# Allegro board AM335x_ICE_3H0013_PCB_REV_2_1A.brd (continued)
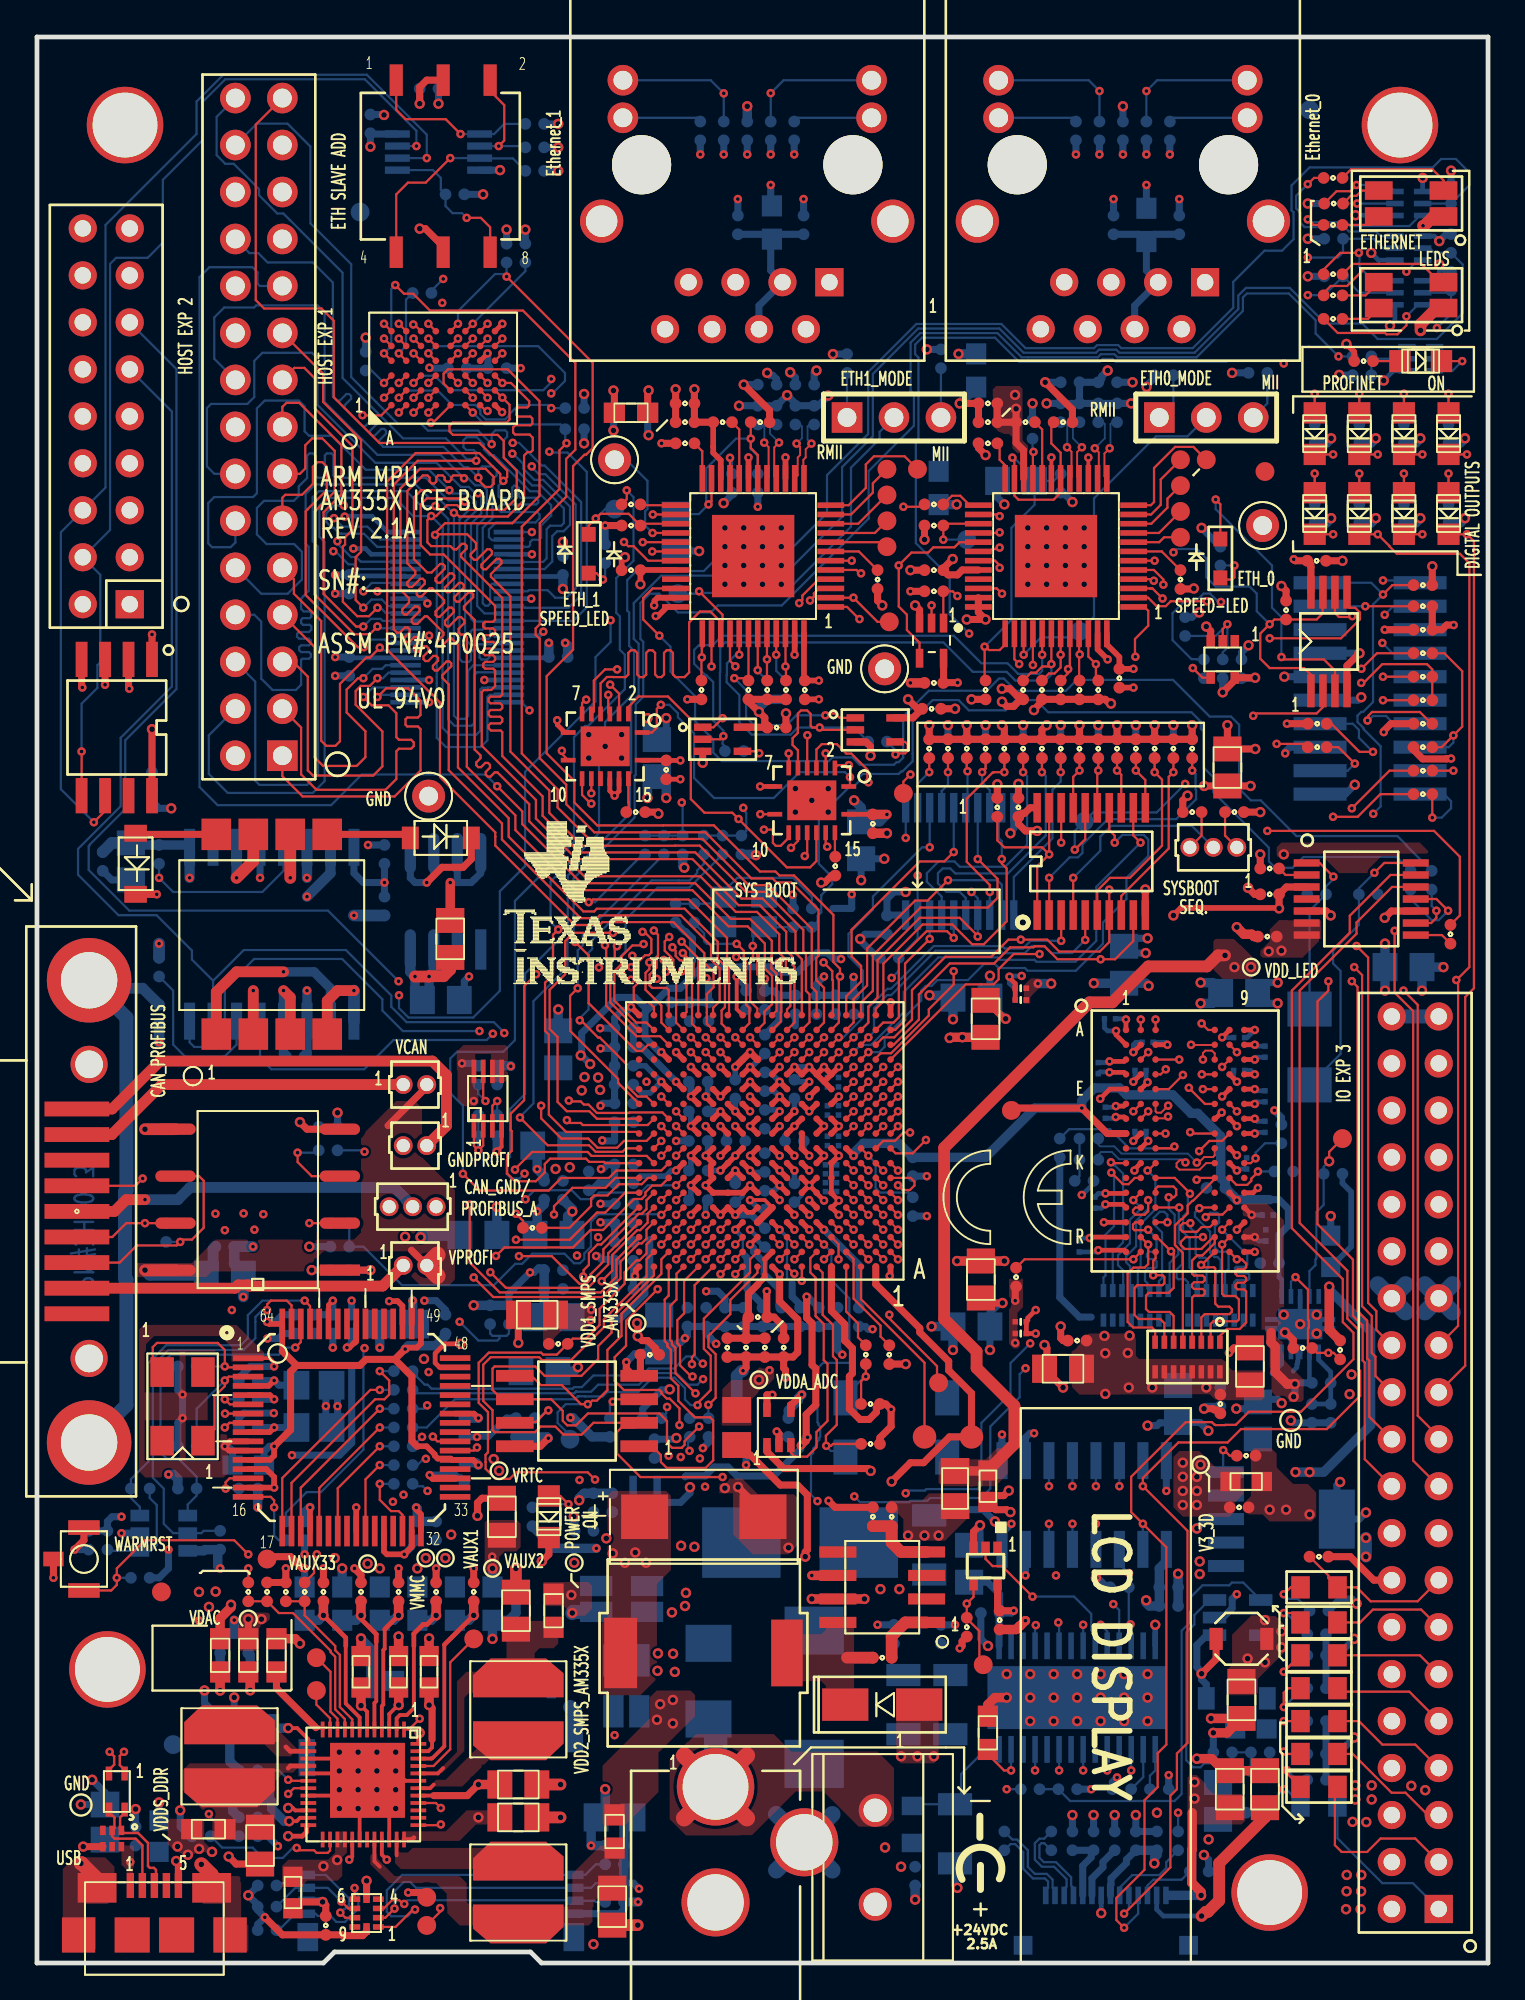
[diagram p0: board, top side]
## Routing (per net, layer and track width the routed paths; a pad name or vN(x,y) marks a point on that pad's centre or on a via; arc(x,y) is an arc through that point) (continued)
DDR_D13: length 24.9
  TOP w0.121: v1(44.97,46.05) U14.L3 ; U15.A2 v1(59.7,51.02)
  LYR4 w0.127: v1(44.97,46.05) 45.38,46.46 45.38,47.01 45.61,47.24 47.12,47.24 47.65,47.77 47.65,48.93 48.25,49.53 50.27,49.53 50.59,49.85 50.59,51.16 50.84,51.41 51.3,51.41 51.55,51.16 51.55,50.82 51.79,50.58 53.05,50.58 53.2,50.73 53.2,51.18 53.43,51.41 53.7,51.41 53.81,51.3 53.81,50.76 53.92,50.65 54.08,50.65 54.19,50.76 54.19,51.3 54.3,51.41 54.46,51.41 54.57,51.3 54.57,50.76 54.68,50.65 54.84,50.65 54.95,50.76 54.95,51.3 55.06,51.41 55.22,51.41 55.33,51.3 55.33,50.76 55.44,50.65 55.6,50.65 55.71,50.76 55.71,51.3 55.82,51.41 59.31,51.41 v1(59.7,51.02)
DDR_D14: length 25.1
  TOP w0.121: v1(62.99,50.8) 63.35,50.45 U15.A7 ; U14.L4 v1(44.17,46.05)
  LYR4 w0.127: v1(44.17,46.05) 43.78,46.44 43.78,47.81 44.01,48.04 44.32,48.04 44.56,48.29 44.56,48.6 44.81,48.84 46.25,48.84 49.58,52.17 61.62,52.17 v1(62.99,50.8)
DDR_D15: length 25.1
  TOP w0.121: U14.M1 v1(46.57,46.85) ; U15.B8 v1(64.9,49.25)
  LYR4 w0.127: v1(46.57,46.85) 47.45,46.85 48,47.4 48,48.76 48.35,49.11 50.84,49.11 51,49.27 51,50.01 51.19,50.2 55.35,50.2 55.35,50.21 56.27,50.21 56.39,50.33 56.39,50.81 56.56,50.98 58.34,50.98 58.92,50.41 59.85,50.41 60.07,50.62 62.36,50.62 62.77,50.21 63.36,50.21 63.64,50.48 63.64,50.7 63.92,50.98 64.52,50.98 64.9,50.6 v1(64.9,49.25)
DDR_DQM0: length 24.8
  TOP w0.121: U14.M2 v1(45.77,46.85) ; U15.E7 v1(63.06,47.25)
  LYR3 w0.127: v1(45.77,46.85) 45.77,46.93 45.38,47.32 45.38,47.81 45.61,48.04 46.91,48.04 47.64,48.77 50.16,48.77 50.62,48.31 57.52,48.31 57.62,48.41 57.62,48.96 57.8,49.14 58.18,49.14 58.41,48.91 58.41,48.44 58.91,47.94 58.91,47.49 59.14,47.26 59.6,47.26 60.78,46.07 60.78,45.6 61.02,45.37 61.34,45.37 61.57,45.6 61.57,45.61 62.07,46.11 62.6,46.11 63.06,46.58 v1(63.06,47.25)
DDR_DQM1: length 25
  TOP w0.121: U15.D3 60.78,48.05 v1(61.06,48.32) ; U14.J2 45.77,44.45 46.4,44.45 46.86,44.9 v1(47.22,44.9)
  LYR4 w0.127: v1(47.22,44.9) 48.15,44.9 49.32,46.07 51.44,46.07 51.7,46.33 51.7,47.42 51.93,47.65 52.41,47.65 52.52,47.53 52.52,46.82 52.62,46.71 52.78,46.71 52.89,46.83 52.89,47.52 53.01,47.65 53.17,47.65 53.27,47.54 53.27,46.83 53.38,46.71 53.54,46.71 53.65,46.83 53.65,47.52 53.77,47.65 53.93,47.65 54.03,47.54 54.03,46.83 54.15,46.71 54.3,46.71 54.41,46.83 54.41,47.52 54.54,47.65 54.69,47.65 54.8,47.53 54.8,47.28 54.92,47.17 55.07,47.17 55.19,47.28 55.19,47.53 55.3,47.65 55.46,47.65 55.57,47.53 55.57,47.28 55.68,47.17 55.84,47.17 55.95,47.28 55.95,47.53 56.06,47.65 57.26,47.65 57.36,47.54 58.52,47.54 59.12,48.14 60.87,48.14 v1(61.06,48.32)
DDR_DQS0: length 25
  TOP w0.102: v1(61.18,46.36) 60.8,45.98 60.57,45.98 60.5,46.05 U15.F3 ; U14.P1 v1(46.57,48.45)
  LYR3 w0.102: v1(61.18,46.36) 61.26,46.43 61.26,47.12 61.08,47.3 60.96,47.3 60.57,46.91 60.41,46.91 60.29,47.04 60.29,47.18 60.68,47.57 60.68,47.7 59.99,48.39 59.2,48.39 58.62,48.97 58.62,49.47 58.44,49.65 57.67,49.65 56.83,48.8 56.19,48.8 55.89,49.1 55.89,49.6 55.79,49.71 55.49,49.71 55.37,49.59 55.37,49.09 55.09,48.8 54.59,48.8 54.29,49.1 54.29,49.53 54.17,49.65 53.94,49.65 53.83,49.53 53.83,49.1 53.53,48.8 53.11,48.8 52.81,49.1 52.81,49.53 52.69,49.65 52.52,49.65 52.4,49.53 52.4,49.1 52.11,48.8 50.82,48.8 50.36,49.27 46.9,49.27 46.42,48.8 46.42,48.6 v1(46.57,48.45)
DDR_DQS1: length 25
  TOP w0.102: U15.C7 63.7,49.18 63.55,49.33 63.2,49.33 63.06,49.2 v1(63.06,48.85)
  TOP w0.121: U14.L1 v1(46.57,46.05)
  LYR4 w0.102: v1(46.57,46.05) 47.94,46.05 48.74,46.85 48.74,48.08 48.89,48.24 51.15,48.24 51.43,48.52 51.81,48.9 51.81,49.25 51.97,49.4 52.52,49.4 52.65,49.27 52.65,48.86 52.94,48.57 53.54,48.57 53.82,48.85 53.82,49.31 53.91,49.4 54.31,49.4 54.4,49.31 54.4,48.91 54.68,48.63 55.3,48.63 55.58,48.91 55.58,49.28 55.68,49.38 55.95,49.38 56.08,49.38 56.16,49.29 56.16,48.92 56.44,48.63 57,48.63 57.31,48.94 57.31,49.46 57.48,49.63 59.14,49.63 59.15,49.63 60.44,49.63 60.84,50.03 61.5,50.03 62.27,49.27 62.64,49.27 v1(63.06,48.85)
DDR_DQSN0: length 25
  TOP w0.102: U15.G3 60.53,45.67 61.08,45.67 v1(61.18,45.77) ; U14.P2 v1(45.77,48.45)
  LYR3 w0.102: v1(45.77,48.45) 46.02,48.7 46.02,48.82 46.77,49.58 50.48,49.58 50.95,49.11 51.98,49.11 52.1,49.23 52.1,49.66 52.4,49.95 52.82,49.95 53.11,49.66 53.11,49.23 53.23,49.11 53.4,49.11 53.52,49.23 53.52,49.66 53.82,49.95 54.3,49.95 54.59,49.66 54.59,49.23 54.71,49.11 54.96,49.11 55.07,49.22 55.07,49.71 55.37,50.01 55.91,50.01 56.2,49.72 56.2,49.23 56.32,49.11 56.7,49.11 57.54,49.95 58.57,49.95 58.93,49.59 58.93,49.41 58.92,49.41 58.92,49.09 59.32,48.69 60.12,48.69 61.56,47.25 61.56,46.15 v1(61.18,45.77)
DDR_DQSN1: length 25
  TOP w0.102: U14.L2 v1(45.77,46.05) ; v1(62.42,49.65) 62.43,49.64 63.69,49.64 U15.B7
  LYR4 w0.102: v1(62.42,49.65) 62.31,49.76 62.2,49.76 61.63,50.34 60.71,50.34 60.31,49.94 59.27,49.94 57.36,49.94 57.01,49.59 57.01,49.07 56.88,48.94 56.57,48.94 56.47,49.04 56.47,49.17 56.47,49.42 56.2,49.68 55.82,49.68 55.55,49.68 55.27,49.41 55.27,49.04 55.17,48.94 54.8,48.94 54.71,49.04 54.71,49.44 54.44,49.71 53.79,49.71 53.51,49.44 53.51,48.98 53.41,48.88 53.07,48.88 52.96,48.99 52.96,49.4 52.65,49.71 51.84,49.71 51.51,49.37 51.51,49.03 51.31,48.83 51.02,48.54 48.77,48.54 48.44,48.21 48.44,46.98 47.81,46.35 46.81,46.35 46.73,46.43 46.15,46.43 v1(45.77,46.05)
DDR_ODT: length 32.2
  TOP w0.121: U14.G1 47.26,42.45 47.46,42.25 47.46,42.04 47.22,41.79 46.83,41.79 v1(46.57,42.05) ; v1(58.09,43.29) 58.13,43.25 U15.K1
  LYR4 w0.127: v1(46.57,42.05) 46.61,42.09 47.16,42.09 47.28,41.97 47.28,41.58 47.39,41.47 47.55,41.47 47.66,41.58 47.66,41.99 47.76,42.09 47.92,42.09 48.04,41.97 48.04,41.58 48.15,41.47 48.31,41.47 48.42,41.58 48.42,41.99 48.52,42.09 50.19,42.09 50.49,42.39 52.21,42.39 52.27,42.39 52.35,42.31 52.35,41.88 52.49,41.75 52.68,41.75 52.8,41.86 52.8,42.84 52.91,42.96 53.06,42.96 53.15,42.87 53.15,42.56 53.24,42.47 53.43,42.47 53.53,42.57 53.53,42.99 53.64,43.1 53.98,43.1 54.11,43.24 54.11,43.64 54.23,43.75 54.38,43.75 54.51,43.63 54.51,43.08 54.61,42.98 54.76,42.98 54.89,43.11 54.89,43.65 54.99,43.75 55.15,43.75 55.27,43.63 55.27,43.07 55.36,42.98 55.55,42.98 55.65,43.08 55.65,43.65 55.75,43.75 55.91,43.75 56.03,43.63 56.03,43.07 56.11,42.99 56.33,42.99 56.41,43.08 56.41,43.65 56.51,43.75 56.67,43.75 56.79,43.63 56.79,43.08 56.88,42.99 57.28,42.99 57.58,43.29 v1(58.09,43.29)
  BOTTOM w0.121: RP3.2 58.19,38.41 58.75,38.96 58.75,42.68 58.3,43.13 58.25,43.13 v1(58.09,43.29)
DDR_RASN: length 31.7
  TOP w0.121: U14.G4 v1(44.17,42.05) ; U15.J3 61.43,44.05 v1(61.52,44.15)
  LYR4 w0.127: v1(44.17,42.05) 43.78,42.44 43.78,44.41 44.01,44.64 44.3,44.64 44.56,44.38 44.56,43.5 44.81,43.26 45.13,43.26 45.49,43.61 49.34,43.61 49.86,44.14 52.96,44.14 53.73,44.92 57.23,44.92 57.37,45.06 59.04,45.06 59.33,45.35 60.5,45.35 60.65,45.19 60.65,44.69 60.65,44.68 60.65,44.54 60.78,44.41 61.26,44.41 v1(61.52,44.15)
  BOTTOM w0.121: 55.32,44.58 55.83,45.09 58.04,45.09 59.08,44.05 61.42,44.05 v1(61.52,44.15)
DDR_RESETN: length 33.8
  TOP w0.121: R59.2 53.42,38.05 v1(59.3,38.05) U15.T2 ; U14.G2 v1(45.77,42.05)
  LYR3 w0.127: v1(59.3,38.05) 58.93,38.42 58.4,38.42 57.83,37.84 56.83,37.84 55.18,39.49 54.7,39.49 54.59,39.6 54.59,40.12 54.48,40.23 54.32,40.23 54.21,40.12 54.21,39.6 54.1,39.49 53.94,39.49 53.83,39.6 53.83,40.12 53.72,40.23 53.56,40.23 53.45,40.12 53.45,39.6 53.34,39.49 53.18,39.49 53.07,39.6 53.07,40.12 52.95,40.23 52.8,40.23 52.69,40.12 52.69,39.6 52.57,39.49 52.42,39.49 52.3,39.6 52.3,40.12 52.19,40.23 52.03,40.23 51.92,40.12 51.92,39.6 51.81,39.49 51.65,39.49 51.54,39.6 51.54,40.12 51.43,40.23 51.27,40.23 51.16,40.12 51.16,39.6 51.05,39.49 50.89,39.49 50.78,39.6 50.78,40.12 50.67,40.23 50.51,40.23 50.4,40.12 50.4,39.6 50.29,39.49 50.13,39.49 50.02,39.6 50.02,40.12 49.91,40.23 49.75,40.23 49.64,40.12 49.64,39.6 49.53,39.49 49.13,39.49 49.02,39.6 49.02,40.16 48.91,40.27 48.71,40.27 48.43,39.99 47.97,39.99 47.92,40.04 46.42,40.04 46.18,40.29 46.18,40.6 45.93,40.84 45.62,40.84 45.38,41.09 45.38,41.41 45.61,41.64 45.61,41.64 45.77,41.8 v1(45.77,42.05)
DDR_VREF: length 43.2
  TOP w0.254: U15.M8 v1(64.9,41.25)
  TOP w0.305: U14.J4 v1(44.17,43.65)
  TOP w0.381: U15.H1 57.89,44.85 v1(56.52,46.23) 52.83,46.23 TP21.1
  BOTTOM w0.254: C188.1 67.18,37.08 67.33,36.94 U29.6
  BOTTOM w0.381: C188.1 67.18,39.37 67.69,39.88 67.69,40.77 67.18,41.27 66.67,41.27
  BOTTOM w0.508: 66.67,41.27 64.93,41.27 v1(64.9,41.25) 64.75,41.4 64.75,41.43 C167.1 64.27,42.2 64.03,42.44 64.03,44.7 62.79,45.94 62.42,45.94 61.42,46.94 58.93,46.94 58.56,47.31 57.2,47.31 56.52,46.63 v1(56.52,46.23) 53.98,46.23 51.31,43.56 C159.1 46.61,44.32 44.7,44.32 44.17,43.79 v1(44.17,43.65)
DDR_VTP: length 4.7
  TOP w0.121: v1(44.97,43.65) U14.J3
  BOTTOM w0.121: v1(44.97,43.65) 45.36,43.26 45.36,41.91 45.61,41.66 47.11,41.66 R185.2
DDR_VTT_EN: length 79.7
  TOP w0.121: v1(33.77,41.25) U14.F16 ; 70.48,32.64 70.13,32.99 v1(69.85,32.99) 69.23,32.99 R62.2 68.75,33.47 68.75,34.31 68.79,34.35 68.79,34.74 68.75,34.78 68.75,36.41 v1(68.07,37.08)
  LYR3 w0.127: v1(55.12,20.95) 55.12,21.15 53.98,22.29 44.93,22.29 42.68,24.53 37.92,24.53 37.72,24.73 30.77,24.73 29.38,26.12 v1(29.35,26.12) ; v1(29.21,38.25) 29.21,38.66 30.19,39.64 32.07,39.64 33.52,41.08 33.6,41.08 v1(33.77,41.25)
  LYR4 w0.127: v1(29.21,38.25) 29.21,38.01 29.01,37.81 29.01,32.99 28.53,32.52 28.53,31.92 29.11,31.34 29.11,29.94 29.33,29.72 29.33,26.13 v1(29.35,26.12) ; v1(55.12,20.95) 55.12,22.61 54.32,23.41 54.32,25.95 55.27,26.9 58.62,26.9 60,28.28 63.63,28.28 64.03,28.69 67.83,28.69 69.85,30.7 v1(69.85,32.99)
  BOTTOM w0.121: v1(68.07,37.08) 67.83,36.84 U29.7
DDR_WEN: length 31.2
  TOP w0.121: U15.L3 61.54,42.45 62.36,41.62 v1(62.36,41.6) ; U14.B2 v1(45.77,38.05)
  LYR4 w0.127: v1(62.36,41.6) 62.53,41.77 63.16,41.77 63.29,41.64 63.29,41.36 63.13,41.2 62.54,41.2 62.24,40.9 62.24,40.58 61.98,40.32 61.98,38.56 61.5,38.09 61.18,38.09 61.06,38.2 59.71,38.2 59.47,38.44 59.14,38.44 58.01,37.31 53.69,37.31 53.62,37.38 50.57,37.38 50.2,37.01 46.82,37.01 46.29,37.54 46.28,37.54 v1(45.77,38.05)
  BOTTOM w0.121: v1(62.36,41.6) 62.25,41.48 62.25,40.62 61.99,40.37 61.99,39.53 62.34,39.18 62.34,37.6 62.76,37.18 RP2.2
DRAIN0: length 80.3
  TOP w0.121: J14.19 74.44,27.16 74.44,51.47 73.43,52.47 v1(73.43,55.81) ; D15.1 v1(77.35,81.57)
  LYR3 w0.127: v1(77.35,81.57) 76.77,80.99 76.77,77.24 77.57,76.44 77.57,60.52 73.41,56.36 73.41,55.84 v1(73.43,55.81)
  LYR4 w0.127: v1(59.07,21.08) 60.4,22.42 68.99,22.42 71.41,24.83 74.87,24.83 J14.19
  BOTTOM w0.121: v1(59.07,21.08) 59.04,21.08 58.55,21.57 U31.3
DRAIN1: length 83.3
  TOP w0.121: v1(69.85,53.09) 69.85,52.58 69.26,51.99 69.26,39.95 71.18,38.03 71.18,34.99 71.7,34.47 71.7,32.58 71.82,32.47 71.82,27.24 J14.20 ; D14.1 v1(74.93,81.57)
  LYR3 w0.127: v1(74.93,81.57) 75.68,80.83 75.68,77.1 77.06,75.72 77.06,61.43 72.87,57.24 72.6,57.24 72.17,56.82 72.17,53.55 71.2,52.58 70.36,52.58 v1(69.85,53.09)
  LYR4 w0.127: v1(57.28,23.75) 58.25,22.77 68.73,22.77 71.7,25.74 73.24,25.74 J14.20
  BOTTOM w0.121: U31.4 v1(57.28,23.75)
DRAIN2: length 87.2
  TOP w0.121: D12.1 v1(72.52,81.57) ; J14.21 75.82,28.46 74.68,29.59 74.68,51.81 v1(73.91,52.58)
  LYR3 w0.127: v1(72.52,81.57) 73.86,82.91 75.02,82.91 75.93,82 75.93,77.72 77.32,76.33 77.32,61.33 72.97,56.98 72.7,56.98 72.43,56.71 72.43,54.06 v1(73.91,52.58)
  LYR4 w0.127: J14.21 74.42,26.92 72.49,26.92 68.59,23.03 58.64,23.03 57.49,24.17 56.43,24.17 v1(56.01,23.75)
  BOTTOM w0.121: U31.5 v1(56.01,23.75)
DRAIN3: length 82.5
  TOP w0.121: v1(71.12,53.09) 71.43,52.78 71.43,35.25 71.95,34.73 71.95,32.69 72.06,32.57 72.06,29.54 J14.22 ; D10.1 v1(70.11,81.57)
  LYR3 w0.127: v1(71.12,53.09) 70.83,53.38 70.83,58.09 71.41,58.67 71.41,60.03 71.67,60.29 72.86,60.29 75.12,62.55 75.12,75.21 73.27,77.06 73.27,77.97 71.1,80.13 71.1,80.57 v1(70.11,81.57)
  LYR4 w0.127: v1(54.74,23.75) 55.41,24.42 58.05,24.42 59.15,23.33 61.91,23.33 62.54,23.96 67.68,23.96 70.27,26.56 71.51,26.56 J14.22
  BOTTOM w0.121: U31.6 v1(54.74,23.75)
DRAIN4: length 74.1
  TOP w0.121: J14.23 77.25,32.29 77.25,52.23 77.72,52.7 77.72,76.87 v1(77.35,77.25) D9.1
  LYR4 w0.127: J14.23 74.3,29.34 72.51,29.34 68.63,25.46 66.7,25.46 65.54,24.3 58.81,24.3 58.27,24.84 55.68,24.84 v1(54.74,25.78)
  BOTTOM w0.121: U31.11 v1(54.74,25.78)
DRAIN5: length 73.5
  TOP w0.121: v1(71.25,53.85) 71.68,53.42 71.68,35.51 72.2,34.99 72.2,32.99 72.4,32.79 72.4,31.74 J14.24 ; D8.1 v1(74.93,77.25)
  LYR3 w0.127: v1(74.93,77.25) 76.45,75.74 76.45,74.11 76.07,73.73 76.07,64.01 76.29,63.79 76.29,61.02 76.01,60.74 75.74,60.74 71.89,56.89 71.89,54.49 v1(71.25,53.85)
  LYR4 w0.127: J14.24 69.6,27.18 65.4,27.18 65.02,26.8 63.76,26.8 63.05,27.52 61.78,27.52 61.05,26.79 61.05,26.42 59.74,25.11 56.68,25.11 v1(56.01,25.78)
  BOTTOM w0.121: U31.12 v1(56.01,25.78)
DRAIN6: length 73.6
  TOP w0.121: D7.1 v1(72.52,77.25) 73.15,76.62 73.15,76.6 73.55,76.2 76.96,76.2 77.48,75.69 77.48,53.85 76.78,53.15 v1(76.77,53.15) 76.87,53.05 76.87,34.45 J14.25
  LYR4 w0.127: v1(57.28,25.78) 57.32,25.78 57.73,25.36 58.76,25.36 61.18,27.77 63.16,27.77 63.63,27.31 64.9,27.31 65.15,27.56 68.83,27.56 72.33,31.06 72.33,31.26 73.07,32 74.42,32 J14.25
  BOTTOM w0.121: U31.13 v1(57.28,25.78)
DRAIN7: length 83
  TOP w0.121: v1(71.37,54.99) 72,54.36 72,35.69 72.44,35.25 72.44,34.24 J14.26 ; D6.1 v1(70.11,77.25)
  LYR3 w0.127: v1(70.11,77.25) 70.47,77.61 70.47,80.61 69.53,81.55 69.53,82.63 69.8,82.91 70.19,82.91 74.2,78.9 74.2,77.18 75.18,76.2 75.46,76.2 75.94,75.71 75.94,74.42 75.37,73.85 75.37,62.44 72.96,60.03 71.84,60.03 71.67,59.86 71.67,58.57 71.37,58.28 v1(71.37,54.99)
  LYR4 w0.127: v1(58.55,25.78) 60.79,28.03 63.73,28.03 64.14,28.43 69.34,28.43 72.07,31.17 72.07,32.19 J14.26
  BOTTOM w0.121: U31.14 v1(58.55,25.78)
EMU2_GPIO0_19: length 118.1
  TOP w0.121: U14.A15 34.59,37.27 34.59,35.87 34.24,35.53 34.24,33.69 34.34,33.59 34.34,33.45 34.53,33.26 34.53,31.88 v1(35.62,30.8) ; v1(71.12,62.43) 73.16,64.47 R35.2
  LYR3 w0.127: v1(68.74,92.21) 67.02,90.49 67.02,84.75 67.56,84.2 67.56,77.05 69.13,75.48 69.13,75.2 70,74.33 71.6,74.33 72.27,73.67 72.27,70.15 72.27,70.15 72.27,67.77 72.39,67.65 72.39,66.29 71.75,65.65 71.75,63.06 v1(71.12,62.43)
  LYR4 w0.127: v1(35.62,30.8) 36.51,30.8 37.08,30.23 45.3,30.23 46.01,29.52 52.64,29.52 52.87,29.29 59.63,29.29 59.87,29.53 60.47,29.53 60.49,29.5 65.07,29.5 65.34,29.78 65.34,29.95 68.96,33.57 69.41,33.57 70.37,34.52 70.37,38.65 70.7,38.99 70.7,55.12 71.5,55.92 71.5,61.47 71.12,61.85 v1(71.12,62.43)
  BOTTOM w0.121: v1(68.74,92.21) 70.37,92.21 70.64,92.49 R106.2 72.3,93.23 72.81,92.72 Q2.2
EMU2R: length 2.9
  TOP w0.121: R35.1 v1(76.61,64.47)
  BOTTOM w0.121: v1(76.61,64.47) J15.17
EMU3_GPIO0_20: length 106.8
  TOP w0.121: v1(35.37,39.65) U14.D14 ; v1(67.05,65.92) 68.56,65.92 R26.1
  LYR4 w0.127: v1(35.37,39.65) 35.54,39.65 35.94,39.25 36.33,39.25 36.57,39.01 36.57,38.69 36.81,38.45 37.93,38.45 42.21,34.17 44.02,34.17 44.95,33.24 47.41,33.24 47.97,32.68 57.23,32.68 57.41,32.5 59.54,32.5 60.53,33.49 62.85,33.49 68.13,38.77 68.13,57.64 68.39,57.89 68.39,63.78 67.05,65.11 v1(67.05,65.92) 67.05,68.47 70.99,72.41 71.81,72.41 73.31,73.91 73.31,75.53 72.56,76.29 69.13,76.29 68.07,77.34 68.07,82.55 67.02,83.6 67.02,88.46 v1(68.74,90.18)
  BOTTOM w0.121: v1(68.74,90.18) 69.63,90.18 R108.2 71.53,90.31 Q3.5
EMU3R: length 3.9
  TOP w0.121: v1(71.28,64.85) 70.39,65.74 R26.2
  BOTTOM w0.121: J15.18 70.9,64.47 v1(71.28,64.85)
EMU4: length 157.4
  TOP w0.121: U14.A14 35,36.88 35,35.12 34.64,34.76 34.64,33.51 34.78,33.36 34.78,32.31 35.39,31.71 v1(35.46,31.71) ; v1(70.1,61.98) 71.44,61.98 72.66,63.2 R36.2
  LYR3 w0.127: v1(9.65,40.51) 9.65,38.69 12.88,35.46 12.88,33.77 14.51,32.14 15.29,32.14 17.04,30.39 18.72,30.39 19.97,29.14 21.6,29.14 22.35,29.88 25.68,29.88 26.25,29.31 28.41,29.31 28.66,29.07 28.68,29.07 28.68,29.07 31.61,29.07 34.03,31.49 35.24,31.49 v1(35.46,31.71)
  LYR4 w0.127: J3.10 3.55,82.55 3.55,71.38 4.52,70.41 4.52,65.56 5.7,64.38 5.7,62.63 7.74,60.59 7.74,56.3 8.55,55.5 8.55,48.64 9.25,47.94 9.25,40.91 v1(9.65,40.51) ; v1(35.46,31.71) 35.57,31.71 35.85,31.99 36.39,31.99 37.54,30.84 39.3,30.84 39.62,31.15 41.65,31.15 42.32,30.48 46.25,30.48 46.84,29.88 52.63,29.88 52.97,29.54 59.52,29.54 59.87,29.88 60.84,29.88 61.4,30.44 64.89,30.44 68.8,34.35 68.8,34.74 68.75,34.79 68.75,36.08 70.11,37.45 70.11,38.77 70.45,39.11 70.45,55.97 70.57,56.1 70.57,61.51 v1(70.1,61.98)
EMU4R: length 4.7
  TOP w0.121: R36.1 v1(75.47,61.93)
  BOTTOM w0.121: v1(75.47,61.93) 75.98,61.93 76.49,62.44 76.49,62.82 76.11,63.2 J15.19
EMU_RSTN: length 9.4
  TOP w0.121: C13.1 75.98,65.74 v1(76.61,66.38) 77.09,66.85 77.09,69.85 76.12,70.82 R20.1
  BOTTOM w0.121: v1(76.61,66.38) 76.61,65.99 76.36,65.74 J15.15
ENZ_KALDO_1P8V: length 6
  TOP w0.121: R65.1 45.63,33.87 45.63,34.46 44.17,35.92 44.17,38.06 43.78,38.45 U14.B4
ETH0_CLKIN: length 40.1
  TOP w0.121: v1(66.55,61.21) 75.56,61.21 76.96,59.82 76.96,56.64 R42.2 ; U3.34 51.92,74.32 v1(52.2,74.04)
  LYR4 w0.127: v1(52.2,74.04) 56.07,74.04 57.05,73.05 58.01,73.05 59.94,71.12 59.94,63.96 62.18,61.72 65.41,61.72 65.91,61.21 v1(66.55,61.21)
ETH1_CLKIN: length 61.3
  TOP w0.121: v1(33.66,71.77) 32.79,72.64 32.79,73.81 33.3,74.32 U2.34
  BOTTOM w0.121: R154.2 74.07,60.42 74.07,60.45 73.59,60.93 68.12,60.93 66.19,62.87 65.66,62.87 65.02,63.5 65.02,66.95 64.58,67.4 63.43,67.4 61.45,69.38 56.24,69.38 55.65,68.79 52.96,68.79 52.31,69.43 52.3,69.43 52.28,69.45 52.03,69.45 51.38,68.79 48.24,68.79 46.85,67.4 46.85,65.17 46.61,64.93 46.49,64.93 46.35,64.79 44.5,64.79 44.1,65.19 43.03,65.19 42.83,64.99 37.04,64.99 36.71,65.32 36.58,65.45 36.58,66.16 35.6,67.14 35.6,68.5 34.27,69.83 34.27,71.17 v1(33.66,71.77)
F_ADBUS0: length 4.1
  TOP w0.121: U18.16 12.64,25.21 12.83,25.02 v1(12.83,24.64)
  BOTTOM w0.121: R209.2 13.08,22.86 12.83,23.11 v1(12.83,24.64)
F_ADBUS1: length 10.9
  TOP w0.121: v1(18.54,30.99) 18.03,30.99 13.27,26.22 U18.17
  BOTTOM w0.121: v1(18.54,30.99) R192.2
F_ADBUS2: length 12.1
  TOP w0.121: v1(18.54,32) 19.05,31.5 19.05,30.73 18.8,30.48 18.29,30.48 13.77,25.96 U18.18
  BOTTOM w0.121: R190.2 v1(18.54,32)
F_ADBUS3: length 9.1
  TOP w0.121: U18.19 14.27,25.7 v1(18.54,29.97)
  BOTTOM w0.121: R194.2 v1(18.54,29.97)
F_ADBUS4: length 7.7
  TOP w0.121: v1(18.54,28.96) 15.27,25.68 U18.21
  BOTTOM w0.121: R201.2 v1(18.54,28.96)
F_ADBUS5: length 4.7
  TOP w0.121: v1(18.54,26.92) 17.77,26.15 U18.26
  BOTTOM w0.121: v1(18.54,26.92) R203.2
F_ADBUS6: length 6.3
  TOP w0.121: v1(18.54,27.94) 16.27,25.67 U18.23
  BOTTOM w0.121: R202.2 v1(18.54,27.94)
F_ADBUS7: length 4.1
  TOP w0.121: U18.30 19.77,24.23 19.56,24.43 19.15,24.43 18.54,25.04 v1(18.54,25.91)
  BOTTOM w0.121: v1(18.54,25.91) R204.2
F_EECS: length 23
  TOP w0.121: v1(12.45,35.31) 12.45,35.61 12.65,35.81 13.51,35.81 13.77,35.56 U18.63
  BOTTOM w0.121: R210.1 9.02,23.37 8.89,23.24 U33.5 7.37,23.24 6.86,23.75 6.86,25.65 6.27,26.24 6.27,32.3 7.11,33.15 11.18,33.15 11.81,33.78 11.81,34.67 11.81,34.67 11.81,34.93 12.18,35.3 12.44,35.3 v1(12.45,35.31)
F_EEDATA: length 20.8
  TOP w0.121: v1(14.48,35.81) 14.77,35.52 U18.61
  BOTTOM w0.121: v1(14.48,35.81) 12.19,35.81 11.4,35.03 11.4,33.78 11.02,33.4 6.99,33.4 6.02,32.44 6.02,27.1 5.08,26.16 R207.1 5.08,25.15 5.56,24.66 U33.3
F_EEDOUT: length 6
  BOTTOM w0.121: R207.2 6.1,25.15 6.48,24.77 6.48,22.61 6.16,22.29 U33.1 3.87,22.29 R211.1
F_EESK: length 18.6
  TOP w0.121: v1(13.97,33.27) 14.27,33.57 U18.62
  BOTTOM w0.121: U33.4 8.15,24.79 8.64,25.27 R206.1 8.64,26.29 7.66,27.27 7.02,27.27 6.68,27.61 6.68,32.33 7.24,32.89 13.08,32.89 13.46,33.27 v1(13.97,33.27)
FET_NOE: length 118.4
  TOP w0.121: U4.7 69.54,74.1 69.54,72.97 69.22,72.64 R11.2 66.93,72.64 v1(66.67,72.39) 66.17,71.88 66.17,70.53 66.67,70.02 68.54,70.02 68.91,69.65 U4.1 ; v1(23.41,41) 23.41,37.88 25.03,36.26 30.49,36.26 31.34,37.1 31.34,38.02 31.36,38.04 U14.C18
  LYR3 w0.127: v1(23.41,41) 23.24,41 22.09,42.15 22.09,44.59 21.08,45.59 19.81,45.59 18.29,47.12 18.29,50.93 19.56,52.2 19.56,52.32 v1(19.58,52.32)
  LYR4 w0.127: v1(61.47,76.27) 61.47,76.27 57,76.27 56.84,76.11 50.39,76.11 49.72,75.44 48.5,75.44 44.15,79.79 34.16,79.79 32.98,78.61 29.84,78.61 29.63,78.4 29.63,74 v1(31.03,72.6)
  BOTTOM w0.121: v1(61.47,76.27) 61.65,76.45 62.74,76.45 63.25,75.95 63.25,74.93 63.75,74.42 65.6,74.42 65.98,74.04 65.98,73.09 v1(66.67,72.39) ; v1(19.58,52.32) 19.58,51.63 20.09,51.12 23.59,51.12 25.04,52.56 25.04,57.94 26.4,59.31 26.4,64.4 30.04,68.05 30.21,68.21 30.21,70.61 31.03,71.43 v1(31.03,72.6)
FT_REF: length 2.1
  TOP w0.121: U18.6 10.43,30.21 v1(10.16,30.48)
  BOTTOM w0.121: R193.2 v1(10.16,30.48)
FT_RESETN: length 2.4
  TOP w0.121: U18.14 10.41,26.21 10.2,26 v1(10.2,25.65)
  BOTTOM w0.121: R205.1 v1(10.2,25.65)
FT_SRESET: length 103.2
  TOP w0.121: U10.2 64.14,72.14 v1(64.39,72.39)
  LYR3 w0.127: v1(64.39,72.39) 65.06,71.72 65.06,71.05 65.34,70.78 66,70.78 67,69.78 67,66.87 66.63,66.5 66.63,63.59 65.7,62.66 65.7,60.14 62.98,57.42 62.98,53.64 63.41,53.2 63.41,52.92 65.41,50.93 66.29,50.93 67.73,49.49 67.73,45.88 67.43,45.57 67.43,38.47 65.98,37.03 65.98,36.72 63.02,33.75 59.74,33.75 59.44,33.45 58.81,33.45 58.53,33.18 58.53,32.69 58.19,32.36 57.27,32.36 57.26,32.35 53.66,32.35 v1(53.47,32.16) ; v1(44.21,25.23) 42.85,26.59 39.39,26.59 38.61,27.38 37.33,27.38 36.29,28.42 35.31,28.42 34.8,27.92 24.66,27.92 24.2,27.46 21.61,27.46 21.42,27.26 v1(21.04,27.26)
  BOTTOM w0.121: R203.1 20.57,26.92 20.91,27.26 v1(21.04,27.26) ; v1(44.21,25.23) 44.52,24.92 47.18,24.92 47.26,24.99 48.15,24.99 48.3,25.14 51.06,25.14 51.57,25.65 51.57,29.01 53.15,30.59 53.15,31.84 v1(53.47,32.16) ; R137.2 63.75,71.75 v1(64.39,72.39) 64.39,71.12 64.14,70.87 R141.1
GPIO2-5: length 49.3
  TOP w0.121: v1(42.57,50.05) U14.T6 ; U5.1 49.02,72.47 R21.1 49.53,74.17 v1(49.78,73.91)
  LYR4 w0.127: v1(49.78,73.91) 50.84,72.86 50.84,72.45 51.53,71.75 57.23,71.75 58.33,70.66 58.33,69 57.6,68.27 57.6,67.85 57.89,67.56 57.89,60.76 57.87,60.75 57.87,59.33 58.8,58.4 58.8,54.23 58.05,53.47 54.06,53.47 53.42,52.83 48.45,52.83 47.62,53.66 45.98,53.66 43.95,51.63 43.95,51.44 v1(42.57,50.05)
GPIO2_12: length 73.2
  TOP w0.121: v1(44.97,50.05) U14.T3 ; v1(20.37,85.43) U1.C3 ; U37.5 v1(56.7,55.32)
  LYR3 w0.127: v1(27.81,85.65) 28.54,84.93 28.54,84.55 30.31,82.77 30.31,81.87 29.75,81.3 29.75,71.11 29.06,70.43 29.06,62.92 30.41,61.58 36.25,61.58 41.57,56.26 41.57,53.13 42.22,52.49 42.53,52.49 v1(44.97,50.05)
  BOTTOM w0.121: v1(44.97,50.05) 45.28,50.36 45.28,51.64 45.97,52.33 46.2,52.33 48.61,54.74 52.11,54.74 52.24,54.6 53.43,54.6 53.82,54.99 54.48,54.99 54.86,54.61 55.99,54.61 v1(56.7,55.32) ; v1(27.81,85.65) 27.77,85.65 27.77,85.43 27.38,85.04 22.3,85.04 21.52,85.82 20.76,85.82 v1(20.37,85.43)
GPIO2_13: length 72.3
  TOP w0.121: v1(44.17,50.05) U14.T4 ; U1.D4 v1(21.17,87.03) ; U37.3 v1(55.4,55.27)
  LYR3 w0.127: v1(44.17,50.05) 41.16,53.06 41.16,56.19 36.14,61.22 30.29,61.22 28.81,62.69 28.81,70.53 29.5,71.22 29.5,81.41 30.06,81.97 30.06,82.55 27.8,84.82 27.8,84.87 v1(27.81,84.87)
  BOTTOM w0.121: v1(55.4,55.27) 53.75,55.27 53.33,54.85 52.35,54.85 52.21,54.99 48.5,54.99 46.19,52.68 46,52.68 44.96,51.63 44.96,50.84 v1(44.17,50.05) ; v1(21.17,87.03) 21.56,87.42 27.11,87.42 28.56,85.97 28.56,85.54 27.8,84.78 27.8,84.85 v1(27.81,84.87)
GPIO3_18: length 129.6
  TOP w0.121: U14.B12 v1(36.97,38.05)
  LYR3 w0.127: v1(36.97,38.05) 37.16,38.05 37.55,38.44 37.93,38.44 38.61,37.77 38.61,33.53 36.52,31.44 36.52,31.13 ; 36.52,31.13 36.53,31.13 38.38,29.29 40.66,29.29 40.73,29.36 41.89,29.36 42.59,29.36 44.46,27.49 44.46,26.41 44.9,25.97 45.36,25.97 45.89,26.5 46.81,26.5 46.86,26.45 59.74,26.45 60.24,25.95 60.24,21.66 59.19,20.61 59.19,18.31 v1(59.15,18.31) ; 36.52,31.13 35.88,31.13 35.79,31.22 35.44,31.22 34.58,30.36 34.58,29.97 33.43,28.82 28.58,28.82 28.55,28.82 28.49,28.88 19.63,28.88 18.96,29.55 15.59,29.55 15.2,29.94 15.2,30.48 13,32.68 12.96,32.68 12.04,33.59 12.04,33.8 v1(10.54,35.31)
  LYR4 w0.127: v1(10.54,35.31) 10.67,35.43 10.67,55.38 9.22,56.83 9.22,62.87 6.83,65.26 6.83,81.81 J3.9
  BOTTOM w0.121: R244.1 59.05,18.41 v1(59.15,18.31) 59.19,18.31 U35.26
GPIO3_19: length 81.6
  TOP w0.121: v1(36.17,38.85) U14.C13
  LYR4 w0.127: v1(25.28,50.28) 26.61,50.28 27.36,49.53 29.42,49.53 29.43,49.54 29.83,49.54 30.42,48.95 31.06,48.95 31.81,48.2 31.81,42.88 32.68,42.01 32.68,40.18 33.61,39.25 35.54,39.25 35.93,38.85 v1(36.17,38.85)
  BOTTOM w0.121: 9.53,53.11 U28.7 ; 9.53,53.11 8.38,54.25 8.38,54.74 6.47,56.65 4.41,56.65 2.22,58.84 2.22,60.24 4.53,62.55 4.53,66.25 7.3,69.02 7.3,83.89 J3.11 ; 9.53,53.11 11.19,54.77 16.71,54.77 19.17,52.31 19.17,51.7 19.99,50.87 24.71,50.87 25.14,50.45 25.14,50.42 v1(25.28,50.28)
GPIO3_20: length 82.5
  TOP w0.121: v1(36.17,39.65) U14.D13
  LYR3 w0.127: v1(36.17,39.65) 35.93,39.65 35.54,39.25 33.61,39.25 31.94,37.58 28.86,37.58 26.91,39.53 25.41,39.53 23.88,41.06 23.88,42.77 22.39,44.26 22.39,44.79 21.21,45.97 19.99,45.97 18.85,47.12 18.85,50.47 19.98,51.6 19.98,52.13 20,52.15 20,52.5 19.98,52.52 19.98,52.67 v1(19.56,53.09)
  BOTTOM w0.121: v1(19.56,53.09) 15.74,56.9 4.99,56.9 2.8,59.1 2.8,60.39 2.86,60.45 2.86,60.48 4.78,62.4 4.78,66.12 7.54,68.88 7.54,86.18 J3.13
GPMC_A0: length 37.3
  TOP w0.121: J4.1 13.27,64.17 14.37,63.08 19.34,63.08 20.75,64.48 20.75,66.72 20.6,66.86 20.03,66.86 19.93,66.95 19.93,67.25 20.03,67.34 20.6,67.34 20.75,67.48 20.75,68.25 20.07,68.92 18.88,68.92 v1(18.41,68.45) ; U1.E1 21.43,83.29 v1(21.3,83.29)